# Altium PCB controller_V1.0.PcbDoc (part 8 of 8)
Units mm, origin at the board's own origin, x right, y up, seen from the top; angles counter-clockwise.
Board outline 284.13 x 175.13 mm, 4 copper layers (Top Layer, GND, VCC, Bottom Layer); 496 components, 415 nets, 1682 pads, 750 vias.
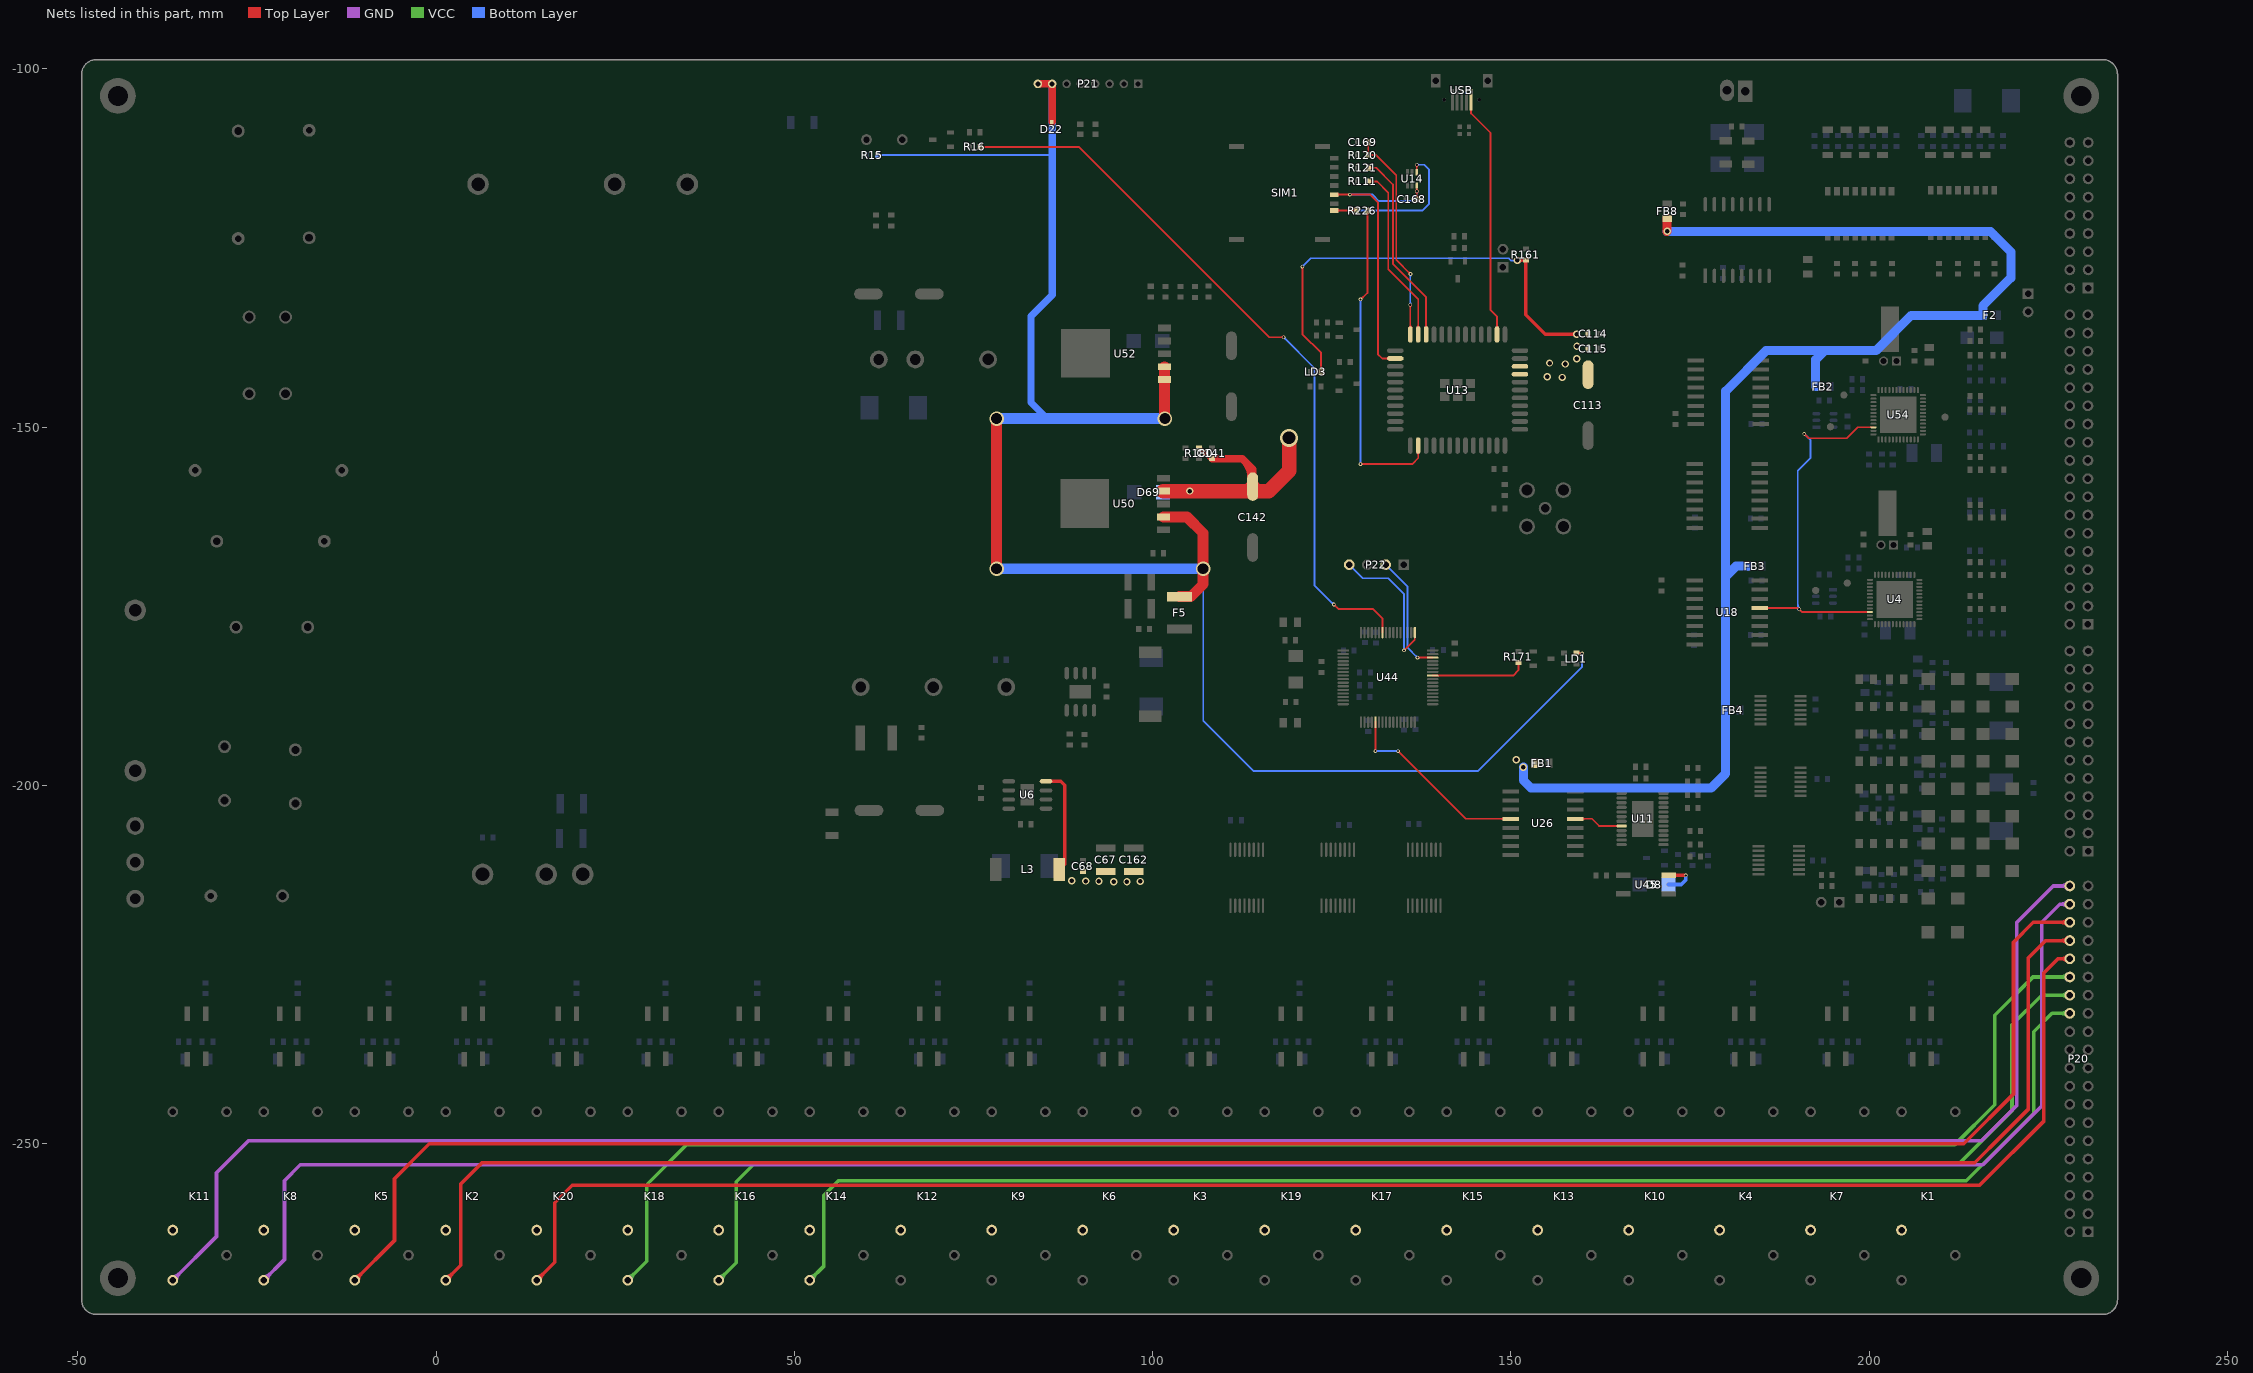
[diagram p10: the nets of this part, all layers, seen from the top]

## Via types
v1: diameter 0.508, hole 0.305, Top Layer to Bottom Layer, tented both sides, 596 vias
v2: diameter 1.016, hole 0.635, Top Layer to Bottom Layer, tented both sides, 65 vias
v3: diameter 0.6, hole 0.3, Top Layer to Bottom Layer, 50 vias
v4: diameter 0.762, hole 0.508, Top Layer to Bottom Layer, tented both sides, 29 vias
v5: diameter 2.032, hole 1.524, Top Layer to Bottom Layer, tented both sides, 4 vias
v6: diameter 3.048, hole 2.032, Top Layer to Bottom Layer, tented both sides, 3 vias
v7: diameter 1.5, hole 1, Top Layer to Bottom Layer, 2 vias
v8: diameter 2.54, hole 1.778, Top Layer to Bottom Layer, tented both sides, 1 vias

## Nets (pads, with @x,y where several pads share a name; then routed paths per layer and width w, separated by ;. In a path a pad name is that pad's centre, name@x,y a point inside that pad or via, vN(x,y) a via of type N, cw(c..) or ccw(c..) an arc to the next point about the centre after c; other vN are vias at no path point) (continued)
RELAY_B13: K14.3 P20.26 | length 207.5
  VCC w0.508: K14.3@52.146,-269.067 54.127,-267.086 54.127,-257.2 56.159,-255.168 213.563,-255.168 222.961,-245.77 222.961,-234.391 225.527,-231.826 P20.26@228.006,-231.826 ; K14.3@52.146,-268.571 ccw(c52.146,-267.374) 52.993,-268.22 ccw(c53.84,-269.067) K14.3@52.642,-269.067 ; P20.26@227.656,-232.177 ccw(c226.809,-233.023) 226.809,-231.826 ccw(c226.809,-230.628) P20.26@227.656,-231.475
RELAY_B14: K16.3 P20.28 | length 222.4
  VCC w0.508: K16.3@39.448,-269.067 41.885,-266.631 41.885,-255.321 44.399,-252.806 212.522,-252.806 219.939,-245.389 219.939,-233.426 224.079,-229.286 P20.28@228.006,-229.286 ; K16.3@39.448,-268.571 ccw(c39.448,-267.374) 40.295,-268.22 ccw(c41.142,-269.067) K16.3@39.944,-269.067 ; P20.28@227.656,-229.637 ccw(c226.809,-230.483) 226.809,-229.286 ccw(c226.809,-228.088) P20.28@227.656,-228.935
RELAY_B15: K18.3 P20.30 | length 236.1
  VCC w0.508: K18.3@26.751,-269.067 29.413,-266.405 29.413,-255.727 35.001,-250.139 211.963,-250.139 217.526,-244.577 217.526,-232.08 222.86,-226.746 P20.30@228.006,-226.746 ; K18.3@26.751,-268.571 ccw(c26.751,-267.374) 27.597,-268.22 ccw(c28.444,-269.067) K18.3@27.247,-269.067 ; P20.30@227.656,-227.097 ccw(c226.809,-227.943) 226.809,-226.746 ccw(c226.809,-225.548) P20.30@227.656,-226.395
RELAY_B16: K20.3 P20.32 | length 253.3
  Top Layer w0.508: K20.3@14.053,-269.067 16.561,-266.559 16.561,-258.267 18.999,-255.829 215.392,-255.829 224.384,-246.837 224.384,-226.162 226.339,-224.206 P20.32@228.006,-224.206 ; K20.3@14.053,-268.571 ccw(c14.053,-267.374) 14.9,-268.22 ccw(c15.746,-269.067) K20.3@14.549,-269.067 ; P20.32@227.656,-224.557 ccw(c226.809,-225.403) 226.809,-224.206 ccw(c226.809,-223.008) P20.32@227.656,-223.855
RELAY_B17: K2.3 P20.34 | length 269.9
  Top Layer w0.508: K2.3@1.355,-269.067 3.429,-266.993 3.429,-255.626 6.401,-252.654 214.732,-252.654 218.669,-248.717 ; K2.3@1.355,-268.571 ccw(c1.355,-267.374) 2.202,-268.22 ccw(c3.049,-269.067) K2.3@1.851,-269.067 ; 218.084,-249.301 218.669,-248.717 ; P20.34@227.656,-222.017 ccw(c226.809,-222.863) 226.809,-221.666 ccw(c226.809,-220.468) P20.34@227.656,-221.315 ; P20.34@228.006,-221.666 224.638,-221.666 222.225,-224.079 222.225,-245.161 218.669,-248.717
RELAY_B18: K5.3 P20.36 | length 281.3
  Top Layer w0.508: K5.3@-11.343,-269.067 -5.791,-263.516 -5.791,-254.889 -0.94,-250.038 213.182,-250.038 220.142,-243.078 220.142,-221.894 222.91,-219.126 P20.36@228.006,-219.126 ; K5.3@-11.343,-268.571 ccw(c-11.343,-267.374) -10.496,-268.22 ccw(c-9.649,-269.067) K5.3@-10.847,-269.067 ; P20.36@227.656,-219.477 ccw(c226.809,-220.323) 226.809,-219.126 ccw(c226.809,-217.928) P20.36@227.656,-218.775
RELAY_B19: K8.3 P20.38 | length 299
  GND w0.508: K8.3@-24.04,-269.067 -21.158,-266.185 -21.158,-255.168 -18.948,-252.959 215.875,-252.959 224.079,-244.754 224.079,-219.1 226.593,-216.586 P20.38@228.006,-216.586 ; K8.3@-24.04,-268.571 ccw(c-24.04,-267.374) -23.194,-268.22 ccw(c-22.347,-269.067) K8.3@-23.544,-269.067 ; P20.38@227.656,-216.937 ccw(c226.809,-217.783) 226.809,-216.586 ccw(c226.809,-215.388) P20.38@227.656,-216.235
RELAY_B20: K11.3 P20.40 | length 311.5
  GND w0.508: K11.3@-36.738,-269.067 -30.632,-262.962 -30.632,-254.051 -26.187,-249.606 215.671,-249.606 220.574,-244.704 220.574,-219.177 225.704,-214.046 P20.40@228.006,-214.046 ; K11.3@-36.738,-268.571 ccw(c-36.738,-267.374) -35.891,-268.22 ccw(c-35.045,-269.067) K11.3@-36.242,-269.067 ; P20.40@227.656,-214.397 ccw(c226.809,-215.243) 226.809,-214.046 ccw(c226.809,-212.848) P20.40@227.656,-213.695
RELAY_C1: K1.2
RELAY_C2: K4.2
RELAY_C3: K7.2
RELAY_C4: K10.2
RELAY_C5: K13.2
RELAY_C6: K15.2
RELAY_C7: K17.2
RELAY_C8: K19.2
RELAY_C9: K3.2
RELAY_C10: K6.2
RELAY_C11: K9.2
RELAY_C12: K12.2
RELAY_C13: K14.2
RELAY_C14: K16.2
RELAY_C15: K18.2
RELAY_C16: K20.2
RELAY_C17: K2.2
RELAY_C18: K5.2
RELAY_C19: K8.2
RELAY_C20: K11.2
SCLK: U4.22 U18.13 U54.22 | length 54.9
  Top Layer w0.254: U18.13@184.732,-175.235 190.045,-175.235 190.627,-175.816 U4.22@200.095,-175.816 ; U18.13@185.716,-175.342 cw(c185.976,-175.603) 185.976,-175.235 cw(c185.976,-174.867) U18.13@185.716,-175.127 ; v1@190.246,-175.565 cw(c190.246,-175.878) 190.467,-175.656 ; v1@190.373,-175.438 ccw(c190.673,-175.438) 190.461,-175.65 ; v1@190.939,-151.079 cw(c190.939,-151.386) 191.156,-151.169 cw(c191.373,-150.952) v1@191.066,-150.952 ; v1(190.939,-150.952) 191.549,-151.562 196.901,-151.562 198.427,-150.035 U54.22@200.603,-150.035
  Bottom Layer w0.254: 190.043,-175.254 ccw(c190.43,-175.254) v1@190.156,-175.528 ; 190.043,-174.641 ccw(c191.043,-174.641) v1@190.336,-175.348 ; v1(190.246,-175.438) 190.043,-175.235 190.043,-156.083 191.821,-154.305 191.821,-151.834 v1(190.939,-150.952) ; v1@190.939,-151.079 cw(c190.939,-151.386) 191.156,-151.169 cw(c191.373,-150.952) v1@191.066,-150.952
SCLK_AO: U11.8 U26.13 | length 7.8
  Top Layer w0.254: U26.13@159.001,-204.673 161.315,-204.673 162.316,-205.674 U11.8@165.449,-205.674 ; U26.13@159.985,-204.781 cw(c160.246,-205.041) 160.246,-204.673 cw(c160.246,-204.305) U26.13@159.985,-204.565 ; U11.8@164.88,-205.743 ccw(c164.712,-205.91) 164.712,-205.674 ccw(c164.712,-205.437) U11.8@164.88,-205.604
SCLK_AO_MCU: U26.4 U44.21 | length 29.3
  Top Layer w0.254: v1@131.001,-195.133 ccw(c130.784,-194.916) 131.091,-194.916 ccw(c131.398,-194.916) v1@131.181,-195.133 ; v1(131.091,-195.223) U44.21@131.091,-191.178 ; v1@134.264,-195.35 cw(c134.264,-195.656) 134.481,-195.44 cw(c134.698,-195.223) v1@134.391,-195.223 ; v1(134.264,-195.223) 143.715,-204.673 145.415,-204.673 U26.4@149.959,-204.673 ; U26.4@148.975,-204.781 ccw(c148.715,-205.041) 148.715,-204.673 ccw(c148.715,-204.305) U26.4@148.975,-204.565
  Bottom Layer w0.254: v1(131.091,-195.223) v1(134.264,-195.223) ; v1@131.181,-195.313 cw(c131.398,-195.529) 131.398,-195.223 cw(c131.398,-194.916) v1@131.181,-195.133 ; v1@134.175,-195.313 ccw(c133.958,-195.529) 133.958,-195.223 ccw(c133.958,-194.916) v1@134.175,-195.133
SIM_CLK: C169.1 R120.2 U13.13 | length 35
  Top Layer w0.254: R120.2@129.939,-111.807 ccw(c129.552,-111.42) 130.099,-111.42 ; C169.1@129.941,-110.494 cw(c129.56,-110.875) 130.099,-110.875 cw(c130.637,-110.875) C169.1@130.256,-110.494 ; 130.099,-111.432 ccw(c130.628,-111.432) R120.2@130.254,-111.807 ; C169.1@130.099,-110.261 130.099,-112.037 R120.2@130.096,-112.039 131.216,-112.039 134.01,-114.833 134.01,-126.67 v1(135.992,-128.651) ; R120.2@130.254,-112.197 cw(c130.635,-112.578) 130.635,-112.039 cw(c130.635,-111.501) R120.2@130.254,-111.882 ; U13.13@135.828,-136.116 ccw(c135.49,-135.778) 135.968,-135.778 ccw(c136.446,-135.778) U13.13@136.108,-136.116 ; v1@135.865,-128.651 ccw(c135.558,-128.651) 135.775,-128.434 ccw(c135.992,-128.217) v1@135.992,-128.524 ; v1@135.878,-133.035 cw(c135.661,-133.252) 135.968,-133.252 cw(c136.274,-133.252) v1@136.057,-133.035 ; U13.13@135.968,-137.081 v1(135.968,-132.945)
  Bottom Layer w0.254: v1@135.878,-132.855 ccw(c135.661,-132.638) 135.968,-132.638 ccw(c136.274,-132.638) v1@136.057,-132.855 ; v1(135.968,-132.945) 135.968,-128.675 v1(135.992,-128.651) ; 135.968,-129.016 cw(c136.356,-129.016) v1@136.081,-128.741
SIM_DATA: R121.2 U13.11 | length 28.8
  Top Layer w0.254: R121.2@130.096,-113.817 131.191,-113.817 133.528,-116.154 133.528,-127.229 138.168,-131.868 U13.11@138.168,-137.081 ; R121.2@130.254,-113.975 cw(c130.635,-114.356) 130.635,-113.817 cw(c130.635,-113.279) R121.2@130.254,-113.66 ; U13.11@138.028,-136.116 ccw(c137.69,-135.778) 138.168,-135.778 ccw(c138.646,-135.778) U13.11@138.308,-136.116
SIM_PRE: R226.1 SIM1.8 U14.1 | length 26.4
  Top Layer w0.254: SIM1.8@125.346,-119.786 v1(127.533,-119.786) R226.1@128.473,-119.786 ; SIM1.8@125.776,-119.926 cw(c126.114,-120.264) 126.114,-119.786 cw(c126.114,-119.308) SIM1.8@125.776,-119.646 ; v1@127.444,-119.876 ccw(c127.227,-120.093) 127.227,-119.786 ccw(c127.227,-119.48) v1@127.444,-119.697 ; v1@127.623,-119.876 cw(c127.84,-120.093) 127.84,-119.786 cw(c127.84,-119.48) v1@127.623,-119.697 ; R226.1@128.316,-119.944 ccw(c127.935,-120.325) 127.935,-119.786 ccw(c127.935,-119.248) R226.1@128.316,-119.629 ; v1@136.778,-113.488 cw(c136.561,-113.705) 136.868,-113.705 cw(c137.174,-113.705) v1@136.957,-113.488 ; U14.1@136.868,-114.442 v1(136.868,-113.399)
  Bottom Layer w0.254: v1(127.533,-119.786) 137.617,-119.786 138.582,-118.821 138.582,-114.071 137.897,-113.386 v1@136.881,-113.386 ; v1@127.623,-119.876 cw(c127.84,-120.093) 127.84,-119.786 cw(c127.84,-119.48) v1@127.623,-119.697 ; v1@136.957,-113.488 cw(c137.206,-113.737) 137.206,-113.386 ; v1@136.957,-113.309 ccw(c137.143,-113.123) 137.143,-113.386
SIM_RST: R111.2 U13.12 | length 26.6
  Top Layer w0.254: R111.2@130.096,-115.722 131.318,-115.722 132.893,-117.297 132.893,-127.991 137.068,-132.165 U13.12@137.068,-137.081 ; R111.2@130.254,-115.88 cw(c130.635,-116.261) 130.635,-115.722 cw(c130.635,-115.184) R111.2@130.254,-115.565 ; U13.12@136.928,-136.116 ccw(c136.59,-135.778) 137.068,-135.778 ccw(c137.546,-135.778) U13.12@137.208,-136.116
SIOUT0: D8.2 U45.4 | length 5.7
  Top Layer w0.508: U45.4@172.032,-212.573 v1(174.396,-212.573)
  Bottom Layer w0.508: D8.2@171.993,-213.843 173.761,-213.843 174.396,-213.208 v1(174.396,-212.573)
SPEAKER: R16.2 U44.58 | length 105.9
  Top Layer w0.254: R16.2@75.922,-110.896 89.687,-110.896 116.256,-137.465 v1(118.288,-137.465) ; R16.2@76.08,-111.054 cw(c76.46,-111.435) 76.46,-110.896 cw(c76.46,-110.358) R16.2@76.08,-110.739 ; v1@118.198,-137.555 ccw(c117.981,-137.771) 117.981,-137.465 ccw(c117.981,-137.158) v1@118.198,-137.375 ; v1@125.292,-174.898 cw(c125.292,-175.205) 125.509,-174.988 cw(c125.726,-174.771) v1@125.419,-174.771 ; v1(125.292,-174.771) 125.908,-175.387 130.708,-175.387 132.091,-176.77 U44.58@132.091,-178.678
  Bottom Layer w0.254: v1@118.288,-137.592 cw(c118.288,-137.898) 118.505,-137.682 cw(c118.721,-137.465) v1@118.415,-137.465 ; v1(118.288,-137.465) 122.58,-141.757 122.58,-172.06 v1(125.292,-174.771) ; v1@125.165,-174.771 ccw(c124.859,-174.771) 125.075,-174.555 ccw(c125.292,-174.338) v1@125.292,-174.644
STATUS: R171.1 U44.41 | length 14.2
  Top Layer w0.254: U44.41@139.091,-184.678 150.322,-184.678 151.054,-183.947 R171.1@151.054,-182.829 ; R171.1@150.896,-182.987 cw(c150.515,-183.368) 151.054,-183.368 cw(c151.592,-183.368) R171.1@151.211,-182.987
SWCLK: P22.4 U44.49 | length 21.3
  Top Layer w0.254: v1(135.091,-181.167) 136.591,-179.667 U44.49@136.591,-178.678 ; v1@135.091,-181.04 ccw(c135.091,-180.733) 135.308,-180.95 ccw(c135.525,-181.167) v1@135.218,-181.167
  Bottom Layer w0.254: P22.4@127.429,-169.215 129.309,-171.094 132.867,-171.094 135.091,-173.318 v1(135.091,-181.167) ; v1@135.001,-181.077 ccw(c134.784,-180.86) 135.091,-180.86 ccw(c135.398,-180.86) v1@135.181,-181.077
SWDIO: P22.2 U44.46 | length 17.9
  Top Layer w0.254: v1(136.966,-182.178) U44.46@139.091,-182.178 ; v1@137.056,-182.268 cw(c137.273,-182.485) 137.273,-182.178 cw(c137.273,-181.872) v1@137.056,-182.088
  Bottom Layer w0.254: P22.2@132.509,-169.215 135.591,-172.297 135.591,-180.803 v1(136.966,-182.178) ; v1@136.839,-182.178 ccw(c136.533,-182.178) 136.749,-181.961 ccw(c136.966,-181.745) v1@136.966,-182.051
VBAT: C113.1 C114.2 C115.2 C141.2 C142.1 D69.2 LD3.1 R161.2 R180.1 U13.42 U13.43 U50.4 | length 109.8
  Top Layer w0.254: v1@120.814,-127.699 cw(c120.597,-127.916) 120.904,-127.916 cw(c121.211,-127.916) v1@120.994,-127.699 ; 120.904,-129.21 120.904,-129.54 ; v1(120.904,-127.61) 120.904,-129.54 ; LD3.1@123.36,-142.058 ccw(c122.979,-141.677) 123.518,-141.677 ccw(c124.056,-141.677) LD3.1@123.675,-142.058 ; LD3.1@123.518,-142.291 123.518,-139.647 120.904,-137.033 120.904,-129.54
  Top Layer w0.508: R180.1@106.5,-152.907 108,-154.407 C141.2@108.278,-154.407 ; R180.1@106.671,-152.907 ccw(c107.083,-152.907) R180.1@106.792,-153.199 ; 107.692,-154.099 ccw(c108.203,-153.589) C141.2@108.203,-154.311 ; v2@150.951,-126.671 R161.2@152.093,-126.671 152.093,-134.338 154.788,-137.033 v2(159.182,-137.033) ; v2@151.056,-126.926 cw(c151.67,-127.54) R161.2@151.67,-126.671 ; v2@159.002,-137.213 ccw(c158.569,-137.646) 158.569,-137.033 ccw(c158.569,-136.42) v2@159.002,-136.853
  Top Layer w1.016: C141.2@108.278,-154.407 112.519,-154.407 113.967,-155.854 C142.1@113.967,-158.31 ; 112.673,-154.56 cw(c110.16,-157.072) C142.1@113.713,-157.072
  Top Layer w2.032: U50.4@101.521,-158.938 v2(105.181,-158.938) C142.1@113.339,-158.938 ; C142.1@113.967,-158.31 C142.1@113.339,-158.938 ; v8(119.05,-151.511) 119.05,-156.108 116.22,-158.938 C142.1@113.339,-158.938
  Bottom Layer w0.254: v1(120.904,-127.61) 122.072,-126.441 149.705,-126.441 150.01,-126.746 v2(150.876,-126.746) ; v1@120.904,-127.483 ccw(c120.904,-127.176) 121.121,-127.393 ccw(c121.338,-127.61) v1@121.031,-127.61
  Bottom Layer w1.524: D69.2@101.457,-159.08 v2@105.065,-159.08
  other v2: 157.15,-143.078 155.092,-142.977 157.582,-141.199 155.397,-141.072 159.182,-140.487 159.212,-138.735
VBUS: U13.2 USB.1 | length 35
  Top Layer w0.254: USB.1@144.435,-104.326 144.435,-106.233 147.168,-108.966 147.168,-133.706 148.068,-134.606 U13.2@148.068,-137.081 ; U13.2@147.928,-136.116 ccw(c147.59,-135.778) 148.068,-135.778 ccw(c148.546,-135.778) U13.2@148.208,-136.116
VCC_5V: D22.2 F5.2 LD1.1 P21.7 P21.8 R15.1 U50.2 U52.1 U52.2 | length 275.9
  Top Layer w0.254: LD1.1@159.131,-181.559 159.182,-181.61 v1(159.944,-181.61) ; LD1.1@159.364,-181.717 cw(c159.622,-181.975) 159.622,-181.61 ; LD1.1@159.364,-181.402 ccw(c159.867,-180.898) v1@159.867,-181.61 ; v1@159.854,-181.7 ccw(c159.637,-181.917) 159.637,-181.61 ccw(c159.637,-181.303) v1@159.854,-181.52
  Top Layer w1.016: P21.8@83.991,-102.108 P21.7@85.991,-102.108 85.991,-107.385 D22.2@85.951,-107.425
  Top Layer w1.524: v5(78.229,-169.774) v5(78.229,-148.819) ; U50.2@101.521,-162.538 104.776,-162.538 107.058,-164.821 v5(107.058,-169.774) 107.058,-171.933 105.316,-173.675 F5.2@103.756,-173.675 ; v5@101.648,-148.742 U52.1@101.648,-143.383 U52.2@101.648,-141.583
  Bottom Layer w0.254: R15.1@61.592,-112.039 76.53,-112.039 ; R15.1@61.75,-112.197 cw(c62.131,-112.578) 62.131,-112.039 cw(c62.131,-111.501) R15.1@61.75,-111.882 ; 85.242,-112.039 76.53,-112.039 ; 85.991,-112.37 85.66,-112.039 76.53,-112.039 ; v5(107.058,-169.774) 107.058,-190.98 114.097,-198.018 145.364,-198.018 159.944,-183.439 v1(159.944,-181.61) ; v1@159.854,-181.7 cw(c159.637,-181.917) 159.944,-181.917 cw(c160.25,-181.917) v1@160.034,-181.7
  Bottom Layer w1.016: 85.268,-148.819 83.033,-146.583 83.033,-134.544 85.991,-131.586 85.991,-112.37 P21.7@85.991,-102.108
  Bottom Layer w1.524: v5(78.229,-169.774) v5(107.058,-169.774) ; v5(78.229,-148.819) 85.268,-148.819 v5(101.724,-148.819)
VCC_5V_ISO: C67.1 C68.1 C162.1 F2.1 FB1.1 FB2.1 FB3.1 FB4.1 FB8.2 L3.2 U6.4 | length 210.6
  Top Layer w0.508: U6.4@85.122,-199.441 87.196,-199.441 87.754,-200 87.754,-210.977 L3.2@86.992,-211.74
  Top Layer w1.27: v2(171.803,-122.685) FB8.2@171.803,-120.897
  Bottom Layer w1.27: v2(151.74,-197.46) 151.74,-199.288 152.832,-200.381 177.927,-200.381 179.959,-198.349 FB4.1@179.959,-189.509 179.959,-170.866 ; v2(171.803,-122.685) 216.919,-122.685 219.786,-125.552 219.786,-129.184 215.872,-133.099 215.872,-133.761 F2.1@215.872,-134.417 205.867,-134.417 200.965,-139.319 193.802,-139.319 ; FB3.1@183.032,-169.393 181.432,-169.393 179.959,-170.866 ; FB2.1@192.532,-144.348 192.532,-140.589 193.802,-139.319 ; 179.959,-170.866 179.959,-163.195 179.959,-144.983 185.623,-139.319 193.802,-139.319
  other v2: 94.564,-213.462 96.418,-213.462 98.273,-213.411 92.507,-213.385 90.678,-213.36 88.697,-213.335 150.749,-196.418
VEXT: R226.2 U13.24 | length 49.4
  Top Layer w0.254: v1(129.007,-155.169) 136.22,-155.169 137.068,-154.321 U13.24@137.068,-152.581 ; v1@129.007,-132.258 129.973,-131.291 R226.2@129.973,-119.786 ; v1@129.007,-132.055 ccw(c129.007,-131.564) 129.353,-131.911 ; v1@129.096,-155.258 cw(c129.313,-155.475) 129.313,-155.169 cw(c129.313,-154.862) v1@129.096,-155.079 ; R226.2@129.816,-120.019 cw(c129.435,-120.4) 129.973,-120.4 cw(c130.512,-120.4) R226.2@130.131,-120.019 ; U13.24@136.928,-153.546 cw(c136.59,-153.884) 137.068,-153.884 cw(c137.546,-153.884) U13.24@137.208,-153.546
  Bottom Layer w0.254: v1@128.917,-155.079 ccw(c128.7,-154.862) 129.007,-154.862 ccw(c129.313,-154.862) v1@129.096,-155.079 ; v1@128.917,-132.271 cw(c128.7,-132.488) 129.007,-132.488 cw(c129.313,-132.488) v1@129.096,-132.271 ; v1(129.007,-155.169) v1(129.007,-132.182)
VSIM: C168.2 SIM1.1 U13.14 U14.6 | length 48.2
  Top Layer w0.254: SIM1.1@125.346,-117.566 v1(127.533,-117.566) 130.368,-117.566 131.445,-118.643 131.445,-139.827 132.049,-140.431 U13.14@133.868,-140.431 ; SIM1.1@125.776,-117.706 cw(c126.114,-118.044) 126.114,-117.566 cw(c126.114,-117.088) SIM1.1@125.776,-117.426 ; v1@127.444,-117.656 ccw(c127.227,-117.873) 127.227,-117.566 ccw(c127.227,-117.26) v1@127.444,-117.477 ; v1@127.623,-117.656 cw(c127.84,-117.873) 127.84,-117.566 cw(c127.84,-117.26) v1@127.623,-117.477 ; U13.14@132.903,-140.571 ccw(c132.565,-140.909) 132.565,-140.431 ccw(c132.565,-139.953) U13.14@132.903,-140.291 ; C168.2@136.724,-118.004 ccw(c136.378,-117.658) 136.868,-117.658 ; v1@136.778,-117.184 cw(c136.561,-117.401) 136.868,-117.401 cw(c137.174,-117.401) v1@136.957,-117.184 ; v1@136.778,-117.004 ccw(c136.561,-116.787) 136.868,-116.787 ccw(c137.174,-116.787) v1@136.957,-117.004 ; 136.868,-117.589 ccw(c137.455,-117.589) C168.2@137.04,-118.004 ; U14.6@136.868,-116.292 v1(136.868,-117.094) 136.868,-118.223 C168.2@136.882,-118.237
  Bottom Layer w0.254: v1(127.533,-117.566) 130.698,-117.566 131.597,-118.466 136.068,-118.466 136.868,-117.666 v1(136.868,-117.094) ; v1@127.623,-117.656 cw(c127.84,-117.873) 127.84,-117.566 cw(c127.84,-117.26) v1@127.623,-117.477 ; v1@136.778,-117.184 cw(c136.561,-117.401) 136.868,-117.401 cw(c137.174,-117.401) v1@136.957,-117.184
pads on no net: P21.3 P21.6 SIM1.6 T1.1 T2.1 T3.1 T4.1 U1.3 U1.5 U2.12 U2.13 U2.14 U3.12 U3.13 U3.14 U4.17 U4.18 U4.19 U4.41 U4.42 U4.43 U4.44 U6.2 U6.3 U7.12 U7.13 U7.14 U10.5 U10.6 U10.11 U10.12 U11.6 U11.17 U11.18 U11.23 U12.11 U12.14 U13.5 U13.8 U13.9 U13.19 U13.20 U13.21 U13.22 U13.23 U13.25 U13.26 U13.28 U13.29 U13.30 U13.31 U13.32 U13.33 U13.38 U13.39 U13.44 U13.96 U13.97 U13.98 U16.4 U16.5 U16.6 U16.7 U16.9 U26.7 U44.2 U44.4 U44.8 U44.9 U44.10 U44.11 U51.2 U51.3 U54.17 U54.18 U54.19 U54.43 U54.44 U56.3 U56.5 USB.0 USB.6 USB.7 X2.3 X3.3
copper on no net:
  other v1: 165.075,-124.003 165.303,-113.919 165.176,-109.144 165.862,-103.276
